# KiCad board helios-panel.kicad_pcb (continued)
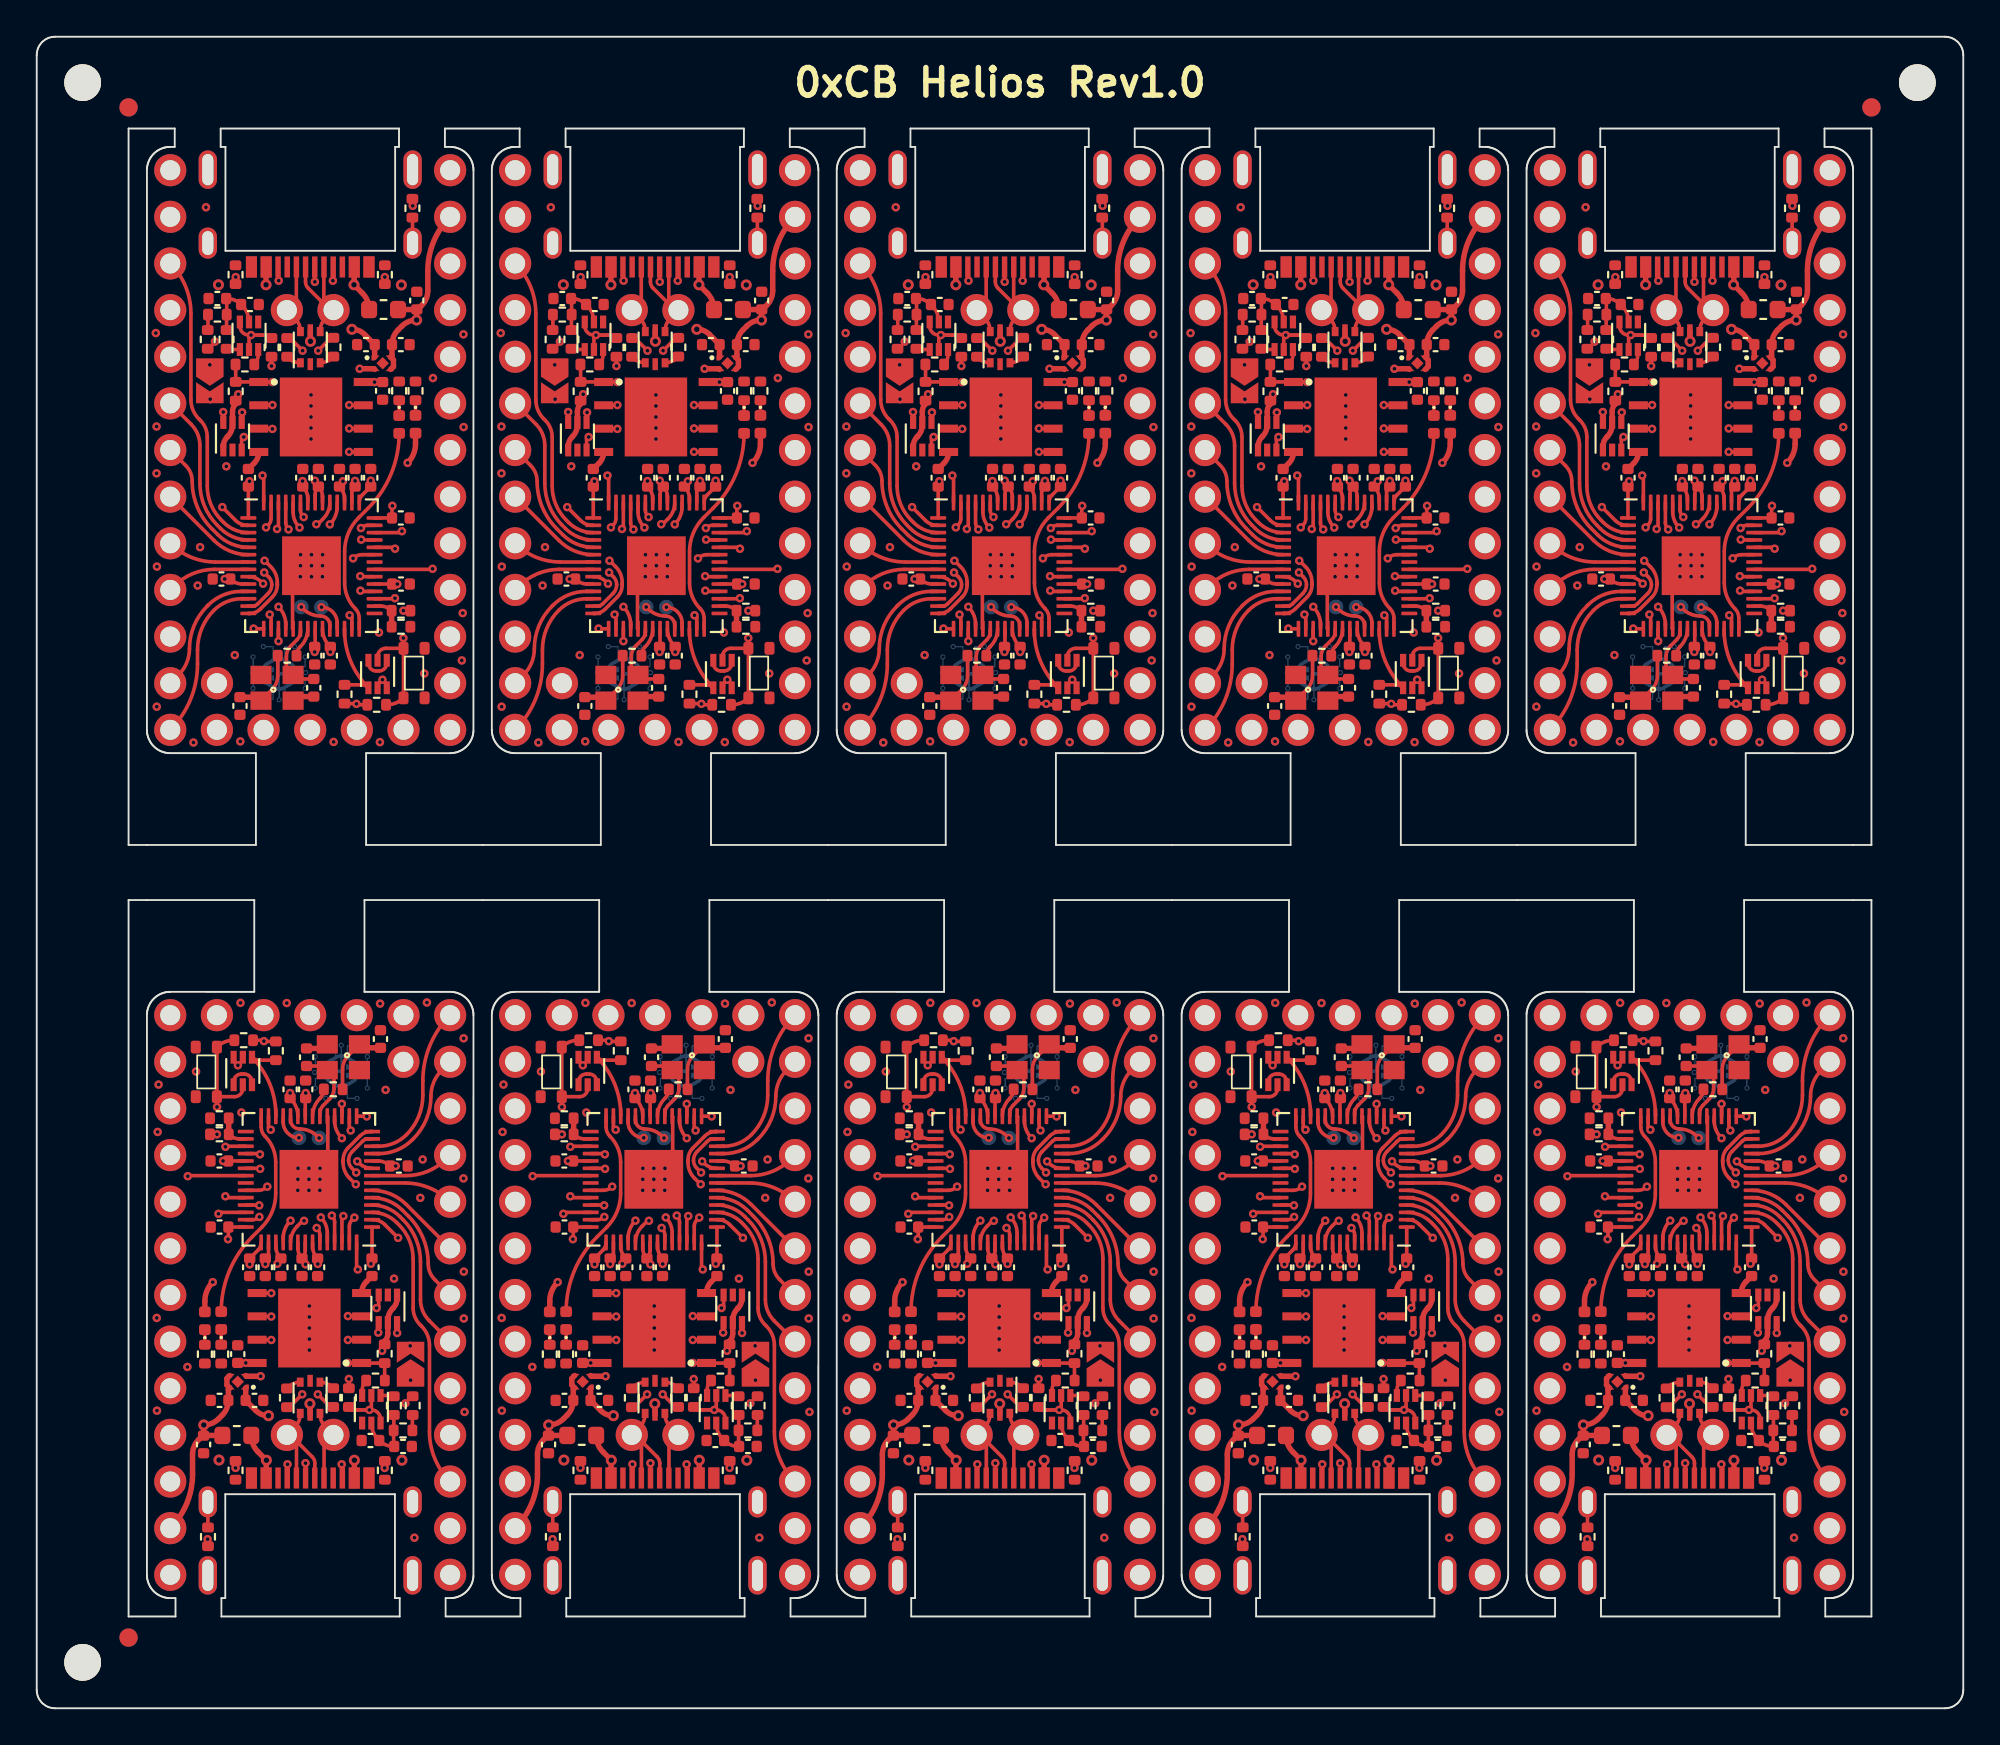
[diagram p0: board, top side]
## Routing (per net, layer and track width the routed paths; a pad name or vN(x,y) marks a point on that pad's centre or on a via; arc(x,y) is an arc through that point) (continued)
Board_3-/12: length 6.6
  Top w0.2: v1(68.15,58.81) 68.16,58.79 U4#7.15
  In1.Cu w0.2: v1(68.15,58.81) 68.15,58.12 arc(67.63,55.51) J2#7.14
Board_3-/13: length 7.2
  Top w0.2: U4#7.16 69.1,59.5 v1(69.03,59.57)
  In1.Cu w0.2: J2#7.15 68.69,58.76 arc(68.78,59.2) v1(69.03,59.57)
Board_3-/14: length 6
  Top w0.2: U4#7.17 69.5,58.13 v1(69.5,58.12)
  In1.Cu w0.2: v1(69.5,58.12) 69.5,57.45 arc(69.95,55.2) J2#7.16
Board_3-/15: length 9.5
  Top w0.2: U4#7.18 69.9,59.04 arc(69.8,59.55) v1(69.5,59.99)
  In1.Cu w0.2: J2#7.17 71.23,55.83 arc(70.4,57.08) 70.11,58.54 arc(69.95,59.33) v1(69.5,59.99)
Board_3-/16: length 7.9
  Top w0.2: U4#7.27 73.5,59.41 v1(73.38,59.53)
  In1.Cu w0.2: J2#7.18 75.71,53.89 arc(73.98,56.48) v1(73.38,59.53)
Board_3-/20_SDI: length 4.9
  Top w0.2: v1(75.84,60.46) 75.81,60.43 U4#7.31
  In1.Cu w0.2: J2#7.21 77.41,59.81 arc(76.69,60.29) v1(75.84,60.46)
Board_3-/21_CS: length 10.1
  Top w0.2: v1(73.97,60.87) 74,60.83 U4#7.32
  In1.Cu w0.2: J2#7.19 75.95,56.19 arc(74.65,58.02) 74.02,60.16 74.02,60.82 v1(73.97,60.87)
Board_3-/22_SCK: length 5.9
  Top w0.2: U4#7.34 73.98,61.63 v1(73.95,61.66)
  In1.Cu w0.2: v1(73.95,61.66) 74,61.7 76.93,61.7 arc(77.97,61.5) J2#7.22
Board_3-/23_SDO: length 9.8
  Top w0.2: U4#7.35 77.86,62.03 v1(77.89,62.06)
  In2.Cu w0.2: v1(77.89,62.06) 77.77,61.93 77.77,58.21 arc(78,57.01) 78.68,56 J2#7.20
Board_3-/A0: length 4.2
  Top w0.2: U4#7.38 75.78,63.23 v1(75.85,63.16)
  In1.Cu w0.2: v1(75.85,63.16) 78.14,63.16 arc(78.52,63.23) J2#7.23
Board_3-/A1: length 6.5
  Top w0.2: v1(74,63.65) 74.03,63.63 U4#7.39
  In1.Cu w0.2: J2#7.24 76.75,63.89 arc(76.46,63.7) 76.12,63.63 74.03,63.63 v1(74,63.65)
Board_3-/A2: length 6.8
  Top w0.2: U4#7.40 76.14,64.03 v1(76.22,64.11)
  In1.Cu w0.2: J2#7.25 77.49,67.17 arc(76.55,65.77) v1(76.22,64.11)
Board_3-/A3: length 9.4
  Top w0.2: v1(74,64.28) 74,64.28 arc(74.16,64.39) 74.35,64.43 U4#7.41
  In1.Cu w0.2: J2#7.26 77.98,70.2 arc(77.69,69.76) 77.58,69.24 arc(77.36,68.13) 76.74,67.19 74,64.45 v1(74,64.28)
Board_3-/BOOT: length 0.9
  Top w0.2: Q2#9.3 68.4,73.71 arc(68.34,73.43) R9#5.2
Board_3-/D+: length 12.7
  Top w0.2: v1(70.81,73.94) 70.12,74.63 R12#4.2 ; v1(71.56,64.49) 71.64,64.49 71.93,64.78 arc(72.2,65.19) U4#7.47
  In1.Cu w0.2: v1(70.81,73.94) 71.44,73.31 arc(71.92,72.59) 72.09,71.75 72.09,70.89 72.09,67 arc(72.05,66.81) 71.94,66.65 71.85,66.55 arc(71.74,66.39) 71.7,66.2 71.7,64.63 v1(71.56,64.49)
Board_3-/D-: length 12.7
  Top w0.2: v1(71.67,73.94) 72.36,74.64 R13#4.2 ; U4#7.46 72.7,65.45 arc(72.6,64.92) v1(72.3,64.48)
  In1.Cu w0.2: v1(71.67,73.94) 71.67,73.93 arc(71.7,73.74) 71.81,73.58 arc(72.35,72.77) 72.54,71.82 72.54,70.51 arc(72.57,70.44) 72.63,70.42 arc(72.69,70.39) 72.72,70.33 72.72,70.21 arc(72.69,70.14) 72.63,70.12 72.54,70.12 72.54,70.11 72.48,70.11 arc(72.43,70.09) 72.41,70.04 72.41,69.87 arc(72.43,69.82) 72.48,69.81 arc(72.52,69.79) 72.54,69.74 72.54,66.82 arc(72.5,66.63) 72.39,66.46 72.3,66.37 arc(72.19,66.21) 72.15,66.01 72.15,64.83 arc(72.19,64.64) 72.3,64.48 v1(72.3,64.48)
Board_3-/LED: length 11.7
  Top w0.2: U4#7.28 73.9,59.38 arc(73.85,59.65) 73.69,59.88 arc(73.26,60.53) 73.11,61.3 73.11,63 arc(73.3,64) 73.87,64.85 74.39,65.36 arc(75.64,67.23) D2.2
Board_3-/PORT+: length 7.1
  Top w0.2: 71.47,78.5 71.47,77.7 v1(71.48,77.69) ; U1#9.6 70.7,75 arc(70.62,75.38) 70.4,75.71 J2#7.34 70.47,76.67 70.47,78.5
  In1.Cu w0.2: J2#7.34 70.12,76.15 71.48,77.51 v1(71.48,77.69)
Board_3-/PORT-: length 7.1
  Top w0.2: J2#7.33 72.07,75.72 arc(71.85,75.39) 71.77,75.01 U1#9.4 ; J2#7.33 71.97,76.68 71.97,78.5 ; J2#7.33 72.31,76.15 71.12,77.34 arc(71.01,77.51) 70.97,77.7 70.97,78.5
Board_3-/QSPI_CLK: length 11.3
  Top w0.2: U4#7.52 70.3,65.15 arc(70.39,64.69) v1(70.65,64.31) ; v1(73.35,69.71) 73.36,69.7 U3#8.6
  In2.Cu w0.2: v1(70.65,64.31) 70.65,64.41 arc(70.19,65.1) 70.03,65.91 70.03,67.19 arc(70.2,67.61) 70.62,67.78 73.32,67.78 arc(73.68,67.93) 73.82,68.28 73.82,68.56 arc(73.7,69.18) v1(73.35,69.71)
Board_3-/QSPI_CS: length 9.8
  Top w0.2: v1(68.64,67.14) 68.7,67.08 68.7,65.69 ; R9#5.1 67.17,73.18 R11#8.2 68.42,72.24 U3#8.1 69.17,72.24 v1(69.17,72.23)
  In2.Cu w0.2: v1(68.64,67.14) arc(68.46,67.4) 68.4,67.7 68.4,70.36 arc(68.6,71.37) v1(69.17,72.23)
Board_3-/QSPI_SD0: length 11.3
  Top w0.2: v1(70.05,64.21) 70.05,64.21 arc(69.94,64.37) 69.9,64.56 U4#7.53 ; v1(73.35,68.43) 73.36,68.43 U3#8.5
  In2.Cu w0.2: v1(70.05,64.21) 70.05,64.28 arc(69.81,64.64) 69.72,65.06 69.72,67.24 arc(69.97,67.83) 70.56,68.08 71.39,68.08 arc(71.5,68.12) 71.55,68.23 71.55,68.48 arc(71.59,68.59) 71.69,68.63 arc(71.8,68.59) 71.84,68.48 71.84,68.23 arc(71.89,68.12) 72,68.08 arc(72.1,68.12) 72.14,68.23 72.14,68.48 arc(72.19,68.59) 72.3,68.63 arc(72.4,68.59) 72.44,68.48 72.44,68.23 arc(72.49,68.12) 72.59,68.08 arc(72.97,68.15) 73.29,68.37 v1(73.35,68.43)
Board_3-/QSPI_SD1: length 11.4
  Top w0.2: v1(68.83,64.32) 68.95,64.44 arc(69.06,64.61) 69.1,64.8 U4#7.55 ; U3#8.2 69.16,70.97 v1(69.17,70.98)
  In2.Cu w0.2: v1(68.83,64.32) 68.99,64.48 arc(69.09,64.63) 69.12,64.8 arc(69.08,64.91) 68.97,64.95 68.88,64.95 arc(68.77,64.99) 68.72,65.1 arc(68.77,65.21) 68.88,65.25 68.97,65.25 arc(69.08,65.29) 69.12,65.4 arc(69.08,65.51) 68.97,65.55 68.88,65.55 arc(68.77,65.59) 68.72,65.7 arc(68.77,65.81) 68.88,65.85 68.97,65.85 arc(69.08,65.89) 69.12,66 arc(69.08,66.11) 68.97,66.15 68.88,66.15 arc(68.77,66.19) 68.72,66.3 arc(68.77,66.41) 68.88,66.45 68.97,66.45 arc(69.08,66.49) 69.12,66.6 69.12,67.16 arc(69.09,67.35) 68.98,67.51 68.85,67.64 arc(68.74,67.81) 68.7,68 68.7,68.34 arc(68.74,68.44) 68.85,68.49 68.95,68.49 arc(69.06,68.53) 69.1,68.64 arc(69.06,68.74) 68.95,68.79 68.85,68.79 arc(68.74,68.83) 68.7,68.94 68.7,69.84 arc(68.82,70.45) v1(69.17,70.98)
Board_3-/QSPI_SD2: length 11.3
  Top w0.2: v1(69.42,64.23) 69.5,64.31 U4#7.54 ; v1(69.17,69.68) 69.16,69.7 U3#8.3
  In2.Cu w0.2: v1(69.42,64.23) 69.42,68.23 arc(69.47,68.34) 69.58,68.38 70.28,68.38 arc(70.38,68.42) 70.42,68.53 arc(70.38,68.64) 70.28,68.68 69.58,68.68 arc(69.47,68.72) 69.42,68.83 arc(69.47,68.94) 69.58,68.98 70.28,68.98 arc(70.38,69.02) 70.42,69.13 arc(70.38,69.24) 70.28,69.28 69.58,69.28 arc(69.47,69.32) 69.42,69.43 v1(69.17,69.68)
Board_3-/QSPI_SD3: length 11.4
  Top w0.2: v1(73.35,70.98) 73.36,70.97 U3#8.7 ; v1(70.88,64.88) 70.85,64.91 arc(70.74,65.07) 70.7,65.26 U4#7.51
  In2.Cu w0.2: v1(70.88,64.88) arc(70.47,65.49) 70.33,66.2 70.33,67.13 arc(70.42,67.36) 70.66,67.46 73.34,67.46 arc(73.92,67.7) 74.17,68.28 74.17,69.01 arc(73.95,70.08) v1(73.35,70.98)
Board_3-/RESET: length 24.7
  Top w0.2: v1(76.31,58.29) 76.31,58.29 SW1#7.2 ; SW1#7.2 75.35,57.73 arc(75.03,57.6) 74.9,57.28 Q1#10.2 74.91,57.09 ; SW1#7.2 SW1#7.2 arc(75.89,54.75) 75.4,54.66 R1.2
  In2.Cu w0.2: J2#7.28 arc(77.71,74.44) 77.31,72.43 77.31,60.71 arc(77.05,59.4) v1(76.31,58.29)
Board_3-/RGB_5V: length 17.5
  Top w0.2: U5#7.4 67.5,70.56 v1(67.53,70.58)
  In2.Cu w0.2: v1(67.53,70.58) arc(67.24,70.15) 67.14,69.65 67.14,66.16 arc(67.37,65) 68.03,64.02 69.3,62.75 arc(69.61,62.28) 69.72,61.73 arc(69.6,61.12) 69.25,60.6 67.34,58.7 arc(66.46,57.38) J2#7.32
Board_3-/RGB_DO: length 15.4
  Top w0.2: U4#7.37 74.05,62.83 arc(73.79,62.78) v1(73.56,62.63) ; U5#7.3 67.5,69.12 v1(67.61,69.24)
  In1.Cu w0.2: v1(67.61,69.24) 66.82,69.24 arc(66.17,68.97) 65.89,68.31 arc(66.04,67.58) 66.46,66.96 67.23,66.18 arc(67.67,65.53) 67.82,64.76 67.82,64.25 arc(68.01,63.79) 68.46,63.6 71.7,63.6 arc(72.52,63.44) 73.22,62.98 v1(73.56,62.63)
Board_3-/RST: length 4.9
  Top w0.2: U4#7.26 73.1,58.72 arc(73.44,57.02) Q1#10.4 74.39,55.59 arc(74.22,55.7) 74.03,55.74 R3#7.2
Board_3-/SWD_CLK: length 2.2
  Top w0.2: v1(70.75,59.98) 70.84,59.89 arc(71.28,59.59) 71.8,59.49 arc(72.15,59.34) 72.3,58.99 U4#7.24
Board_3-/SWD_IO: length 1.7
  Top w0.2: U4#7.25 72.7,59.12 arc(72.45,59.72) v1(71.84,59.97)
Board_3-/USB+: length 0.8
  Top w0.2: R12#4.1 70.03,73.56 arc(70.33,73.35) U1#9.1
Board_3-/USB-: length 0.8
  Top w0.2: R13#4.1 72.43,73.55 arc(72.13,73.35) U1#9.3
Board_3-GND: length 8.8
  Top w0.2: Q1#10.1 75.4,56.92 arc(75.27,56.62) 74.97,56.5 74.83,56.5 arc(74.53,56.62) 74.4,56.92 Q1#10.3 ; v1(71.3,62.23) 70.27,61.2 70.27,58.82 U4#7.19
  Top w0.3: C16.2 68.18,67.81 arc(68.36,68.09) U3#8.4 ; v1(73.92,72.96) 74.7,72.96 U2.2 ; C7#10.1 70.52,55.1 Y1#3.2
  vias: v1(62.83,74.9) v1(62.86,69.81) v1(62.86,67.26) v1(62.89,62.18) v1(62.88,54.55) v1(64.88,52.6) v1(65.11,61.15) v1(65.23,63.24) v1(65.56,81.75) v1(66.05,74.43) v1(67.12,57.36) v1(67.42,52.66) v1(70.7,62.83) v1(70.7,62.23) v1(70.69,61.63) v1(71.28,71.53) v1(71.28,70.93) v1(71.28,70.33) v1(71.28,69.73) v1(71.28,69.13) v1(71.3,62.83) v1(71.3,61.63) v1(71.91,62.83) v1(71.9,62.23) v1(71.89,61.63) v1(72.5,52.63) v1(74.97,58.59) v1(75.03,52.62) v1(76.81,81.83) v1(77.44,56.36) v1(77.92,72.45) v1(79.53,59.65) v1(79.48,57.07) v1(79.58,74.83) v1(79.58,69.78) v2(66.23,77.53) v2(76.19,77.52)
Board_3-Net-(C1-Pad1): length 3.7
  Top w0.2: 66.67,75.06 66.67,75.9 R5#9.1 66.69,76.75 C1#5.1 66.69,76.78 arc(67.11,76.7) C2#8.1 67.53,76.39 arc(67.8,75.99) Q2#9.5
Board_3-Net-(C7-Pad2): length 4.1
  Top w0.2: C7#10.2 70.52,56.06 Y1#3.3 70.08,56.5 arc(69.97,56.66) 69.94,56.85 69.94,57.28 arc(70,57.59) 70.17,57.86 70.52,58.21 arc(70.65,58.4) 70.7,58.64 U4#7.20
Board_3-Net-(C8-Pad2): length 4
  Top w0.2: Y1#3.1 69.15,55.48 arc(69.38,55.83) 69.47,56.24 R14#4.1
  Top w0.3: Y1#3.1 68.36,55.07 C8#9.2
Board_3-Net-(D1-Pad1): length 0.8
  Top w0.2: D1#3.1 R10#5.1
Board_3-Net-(D1-Pad2): length 24.2
  Top w0.2: JP1#3.2 65.78,71.56 v1(65.78,71.3)
  Top w0.3: D1#3.2 76.97,68.87 arc(76.85,68.31) v1(76.53,67.83)
  In1.Cu w0.2: v1(65.78,71.3) 65.77,71.3 arc(65.64,71.1) 65.59,70.87 65.59,68.2 arc(65.74,67.46) 66.16,66.83 66.91,66.08 arc(67.36,65.41) 67.52,64.62 67.52,64.23 arc(67.79,63.58) 68.44,63.3 71.72,63.3 arc(72.13,63.22) 72.47,62.99 73.18,62.28 arc(73.54,62.14) 73.89,62.28 73.91,62.3 arc(74.05,62.65) 73.91,63.01 73.67,63.25 arc(73.31,64.12) 73.67,64.99 76.51,67.83 v1(76.53,67.83)
Board_3-Net-(D2-Pad1): length 0.8
  Top w0.2: D2.1 R15.1
Board_3-Net-(FB1-Pad1): length 1.4
  Top w0.2: 76.8,79.8 76.8,81.19 FB1#10.1
Board_3-Net-(J1-PadA5): length 4.1
  Top w0.2: v1(72.47,77.75) 72.47,77.76 72.47,78.5 ; R7#2.2 v1(75.3,77.95)
  In1.Cu w0.2: v1(75.3,77.95) 75.19,78.05 73.2,78.05 arc(72.8,77.98) v1(72.47,77.75)
Board_3-Net-(J1-PadB5): length 3.6
  Top w0.2: R8#9.2 67.17,77.94 v1(67.17,77.95) ; 69.47,78.5 69.47,77.79 v1(69.51,77.75)
  In1.Cu w0.2: v1(67.17,77.95) 67.28,78.05 68.79,78.05 arc(69.18,77.98) v1(69.51,77.75)
Board_3-Net-(Q1-Pad5): length 28.5
  Top w0.2: 68.65,74.79 67.9,74.79 arc(67.55,74.94) 67.4,75.29 Q2#9.6 ; 68.65,74.79 68.97,74.79 R2#2.2 ; 68.65,74.79 v1(68.01,74.79) 67.9,74.68 Q2#9.2 ; Q1#10.5 74.9,55.76 v1(75.17,56.02) 75.4,55.79 Q1#10.6
  In2.Cu w0.2: v1(68.01,74.79) 67.89,74.67 arc(67.78,74.5) 67.74,74.31 67.74,72.23 arc(67.78,72.04) 67.89,71.88 67.92,71.84 arc(68.05,71.64) 68.1,71.41 68.1,68.84 arc(68.02,68.45) 67.8,68.12 arc(67.53,67.72) 67.44,67.25 67.44,66.27 arc(67.67,65.12) 68.32,64.15 69.57,62.9 arc(69.9,62.4) 70.02,61.82 70.02,59.42 arc(71.01,57.02) 73.42,56.02 75.16,56.02 v1(75.17,56.02)
Board_3-Net-(Q2-Pad1): length 0.7
  Top w0.2: Q2#9.1 66.72,74.01 R4.1
Board_3-Net-(R5-Pad2): length 0.8
  Top w0.2: 65.65,75.06 65.67,75.08 R5#9.2
Board_3-Net-(R14-Pad2): length 1.6
  Top w0.2: R14#4.2 arc(70.54,57.59) 70.68,57.81 70.7,57.83 arc(71,58.27) U4#7.21
Board_3-VBUS: length 28.7
  Top w0.2: v1(76.31,59.78) R16#3.1
  Top w0.3: v2(68.83,77.53) 68.83,78.5 ; 73.62,78.5 73.62,77.54 v2(73.61,77.53) 74.06,77.08 arc(74.34,76.67) F1#5.1
  In2.Cu w0.2: v1(76.31,59.78) arc(76.83,60.56) 77.01,61.48 77.01,69.34 arc(76.13,73.77) v2(73.61,77.53)
  In2.Cu w0.3: v2(68.83,77.53) arc(69.09,78.18) 69.74,78.45 72.7,78.45 arc(73.35,78.18) v2(73.61,77.53)
Board_4-+1V1: length 15.7
  Top w0.2: v1(89.59,66.84) 89.61,66.83 C17#4.1 arc(89.81,66.24) 89.88,65.88 U4#6.50 ; v1(91.8,66.83) 91.61,66.64 C10#3.2 arc(91.81,66.24) 91.88,65.88 U4#6.45 ; v1(91.11,57.53) C19#5.1 91.07,57.84 arc(90.78,58.28) U4#6.23
  In2.Cu w0.2: v1(89.59,66.84) 90.64,65.8 ; 90.64,65.8 91.16,65.28 arc(91.45,64.84) 91.55,64.32 91.55,58.61 arc(91.44,58.03) v1(91.11,57.53) ; 90.64,65.8 91.67,66.83 v1(91.8,66.83)
Board_4-+3V3: length 20.5
  Top w0.2: 93.49,61.23 C12#3.1 v1(94.75,61.23) ; R3#10.1 92.52,54.72 v1(92.53,54.71) 92.58,54.66 R1#8.1 ; v1(90.27,66.86) 90.45,66.67 C14#3.1 ; U4#6.1 86.64,66.54 C16#2.1 86.64,66.77 v1(86.7,66.83) ; v1(85.36,61.51) C15#5.1 arc(85.96,61.3) 86.32,61.23 U4#6.10 ; v1(94.48,65.49) 94.47,65.47 C13#2.1 93.49,64.83 ; R2#10.1 v1(87.91,73.11) ; C6#10.1 v1(93.52,72.23) 93.51,72.24 U3#4.8 ; v1(93.31,66.86) C18#2.1 92.85,66.09 arc(92.73,65.9) U4#6.43 ; v1(92.45,66.85) C9#4.2 92.34,66.42 arc(92.3,66.36) 92.28,66.28 U4#6.44 ; v1(86.09,71.57) 86.09,71.36 R11#5.1 ; U4#6.48 90.68,66 arc(90.62,66.29) C14#3.1 ; U4#6.22 90.28,57.84 C11#3.1 ; U4#6.49 90.28,66.12 arc(90.33,66.35) C14#3.1
  Top w0.3: R11#5.1 85.95,71.04 85.9,70.99 arc(85.81,70.81) 85.78,70.62 U5#10.5 85.78,69.91 arc(85.71,69.56) 85.51,69.26 85.5,69.25 arc(85.34,69.01) 85.28,68.72 U5#10.1 ; U2#7.1 93.52,74.27 ; C5.1 92.97,74.83 arc(92.65,75.04) 92.28,75.11
  vias: v1(84.55,73.17) v1(85.44,67.64) v1(90.25,57.53) v2(92.28,75.11)
Board_4-+5V: length 25.1
  Top w0.3: 95.81,76.18 C3#4.1 95.86,76.19 96.08,76.41 arc(96.33,76.78) 96.42,77.21 96.42,78.3 arc(96.73,79.88) J2#10.30 ; 95.81,76.18 v2(95.81,75.61) arc(95.37,75.52) 95,75.28 94.8,75.07 arc(94.55,74.7) C4.1 94.47,73.67 U2#7.4 94.54,73.44 94.54,73.07 U2#7.3 ; 95.81,76.18 F1#8.2 ; v2(90.03,74.45) 90.02,74.46 U1#10.5 ; v1(85.28,70.6) 85.28,70.59 U5#10.6
  In1.Cu w0.3: v1(85.28,70.6) 85.28,70.88 arc(85.55,72.27) 86.34,73.44 arc(87.47,74.2) 88.8,74.46 90.01,74.46 v2(90.03,74.45) 93,74.45 arc(94.52,74.75) v2(95.81,75.61)
Board_4-/0_TX0: length 18.4
  Top w0.2: U4#6.2 86.59,64.43 arc(86.24,64.5) 85.95,64.7 v1(85.22,65.42)
  In1.Cu w0.2: J2#10.2 82.39,80.66 arc(82.43,80.47) 82.54,80.31 82.57,80.27 arc(83.46,78.94) 83.78,77.36 83.78,68.13 arc(83.96,67.22) 84.47,66.45 85.03,65.89 arc(85.17,65.67) v1(85.22,65.42)
Board_4-/1_RX0: length 16.4
  Top w0.2: J2#10.3 arc(83.22,77.44) 83.52,75.97 83.52,71.27 arc(83.63,70.71) 83.95,70.23 84.03,70.14 arc(84.31,69.73) 84.41,69.24 84.41,66.57 arc(84.61,65.56) 85.18,64.71 85.3,64.59 arc(85.91,64.17) U4#6.3
Board_4-/2_SDA1: length 9.4
  Top w0.2: J2#10.6 83.53,69.93 arc(83.88,69.4) 84,68.78 84,66.71 arc(84.25,65.48) 84.95,64.44 85.13,64.26 arc(85.82,63.79) U4#6.4
Board_4-/3_SCL1: length 7.3
  Top w0.2: J2#10.7 83.23,67.69 arc(83.49,67.3) 83.58,66.83 arc(83.86,65.43) 84.66,64.24 84.98,63.92 arc(85.74,63.41) U4#6.5
Board_4-/4: length 5.4
  Top w0.2: J2#10.8 84.78,63.6 arc(85.63,63.03) U4#6.6
Board_4-/5: length 4.5
  Top w0.2: U4#6.7 84.85,62.43 arc(83.52,62.7) J2#10.9
Board_4-/6: length 4.6
  Top w0.2: U4#6.8 84.8,62.03 arc(83.61,61.79) 82.6,61.12 J2#10.10
Board_4-/7: length 6.9
  Top w0.2: U4#6.9 86.68,61.63 arc(87.04,61.56) 87.34,61.35 v1(87.44,61.25)
  In2.Cu w0.2: v1(87.44,61.25) 86.1,59.91 arc(84.4,58.77) J2#10.11
Board_4-/8: length 7.3
  Top w0.2: U4#6.11 86.26,60.83 arc(85.29,60.64) 84.46,60.09 84.39,60.02 arc(83.68,58.96) 83.44,57.7 arc(83.28,56.94) 82.85,56.29 J2#10.12
Board_4-/9: length 9.2
  Top w0.2: U4#6.12 86.28,60.43 arc(85.46,60.27) 84.77,59.8 arc(84.11,58.81) 83.88,57.65 83.88,56.88 arc(83.49,54.93) J2#10.13
Board_4-/10: length 26.5
  Top w0.2: v1(87.5,61.86) 87.74,61.62 arc(87.87,61.43) 87.92,61.2 arc(87.87,60.94) 87.72,60.72 87.15,60.15 arc(87.02,60.06) 86.87,60.03 U4#6.13
  In2.Cu w0.2: v1(87.5,61.86) 87.47,61.86 84.19,65.14 arc(83.78,65.76) 83.64,66.48 83.64,80.76 arc(83.31,82.39) J2#10.1
Board_4-/11: length 38
  Top w0.2: U4#6.14 86.73,59.63 arc(87.03,59.69) 87.29,59.86 87.94,60.51 arc(88.15,60.82) 88.22,61.18 88.22,61.31 arc(88.13,61.78) 87.86,62.17 87.54,62.5 v1(87.53,62.5)
  In1.Cu w0.2: v1(87.53,62.5) 87.53,62.69 arc(87.43,62.91) 87.21,63 arc(86.35,63.36) 86,64.22 86,64.45 arc(85.83,65.28) 85.36,65.98 84.7,66.64 arc(84.24,67.34) 84.08,68.16 84.08,76.65 arc(84.63,77.98) 85.96,78.53 95.24,78.53 arc(96.07,78.87) 96.42,79.71 96.42,80.84 arc(96.73,82.42) J2#10.31
Board_4-/12: length 6.6
  Top w0.2: v1(86.93,58.81) 86.94,58.79 U4#6.15
  In1.Cu w0.2: v1(86.93,58.81) 86.93,58.12 arc(86.41,55.51) J2#10.14
Board_4-/13: length 7.2
  Top w0.2: U4#6.16 87.88,59.5 v1(87.81,59.57)
  In1.Cu w0.2: J2#10.15 87.47,58.76 arc(87.56,59.2) v1(87.81,59.57)
Board_4-/14: length 6
  Top w0.2: U4#6.17 88.28,58.13 v1(88.28,58.12)
  In1.Cu w0.2: v1(88.28,58.12) 88.28,57.45 arc(88.73,55.2) J2#10.16
Board_4-/15: length 9.5
  Top w0.2: U4#6.18 88.68,59.04 arc(88.58,59.55) v1(88.28,59.99)
  In1.Cu w0.2: J2#10.17 90.01,55.83 arc(89.18,57.08) 88.89,58.54 arc(88.73,59.33) v1(88.28,59.99)
Board_4-/16: length 7.9
  Top w0.2: U4#6.27 92.28,59.41 v1(92.16,59.53)
  In1.Cu w0.2: J2#10.18 94.49,53.89 arc(92.76,56.48) v1(92.16,59.53)
Board_4-/20_SDI: length 4.9
  Top w0.2: v1(94.62,60.46) 94.59,60.43 U4#6.31
  In1.Cu w0.2: J2#10.21 96.19,59.81 arc(95.47,60.29) v1(94.62,60.46)
Board_4-/21_CS: length 10.1
  Top w0.2: v1(92.75,60.87) 92.78,60.83 U4#6.32
  In1.Cu w0.2: J2#10.19 94.73,56.19 arc(93.43,58.02) 92.8,60.16 92.8,60.82 v1(92.75,60.87)
Board_4-/22_SCK: length 5.9
  Top w0.2: U4#6.34 92.77,61.63 v1(92.73,61.66)
  In1.Cu w0.2: v1(92.73,61.66) 92.78,61.7 95.71,61.7 arc(96.75,61.5) J2#10.22
Board_4-/23_SDO: length 9.8
  Top w0.2: U4#6.35 96.64,62.03 v1(96.67,62.06)
  In2.Cu w0.2: v1(96.67,62.06) 96.55,61.93 96.55,58.21 arc(96.78,57.01) 97.46,56 J2#10.20
Board_4-/A0: length 4.2
  Top w0.2: U4#6.38 94.56,63.23 v1(94.63,63.16)
  In1.Cu w0.2: v1(94.63,63.16) 96.92,63.16 arc(97.3,63.23) J2#10.23
Board_4-/A1: length 6.5
  Top w0.2: v1(92.78,63.65) 92.81,63.63 U4#6.39
  In1.Cu w0.2: J2#10.24 95.53,63.89 arc(95.24,63.7) 94.9,63.63 92.81,63.63 v1(92.78,63.65)
Board_4-/A2: length 6.8
  Top w0.2: U4#6.40 94.92,64.03 v1(95,64.11)
  In1.Cu w0.2: J2#10.25 96.27,67.17 arc(95.33,65.77) v1(95,64.11)
Board_4-/A3: length 9.4
  Top w0.2: v1(92.78,64.28) 92.78,64.28 arc(92.94,64.39) 93.13,64.43 U4#6.41
  In1.Cu w0.2: J2#10.26 96.76,70.2 arc(96.47,69.76) 96.36,69.24 arc(96.14,68.13) 95.52,67.19 92.78,64.45 v1(92.78,64.28)
Board_4-/BOOT: length 0.9
  Top w0.2: Q2.3 87.18,73.71 arc(87.12,73.43) R9#6.2
Board_4-/D+: length 12.7
  Top w0.2: v1(89.59,73.94) 88.91,74.63 R12.2 ; v1(90.34,64.49) 90.42,64.49 90.71,64.78 arc(90.98,65.19) U4#6.47
  In1.Cu w0.2: v1(89.59,73.94) 90.22,73.31 arc(90.7,72.59) 90.87,71.75 90.87,70.89 90.87,67 arc(90.83,66.81) 90.72,66.65 90.63,66.55 arc(90.52,66.39) 90.48,66.2 90.48,64.63 v1(90.34,64.49)
Board_4-/D-: length 12.7
  Top w0.2: v1(90.44,73.94) 91.14,74.64 R13#8.2 ; U4#6.46 91.48,65.45 arc(91.38,64.92) v1(91.08,64.48)
  In1.Cu w0.2: v1(90.44,73.94) 90.44,73.93 arc(90.48,73.74) 90.59,73.58 arc(91.13,72.77) 91.32,71.82 91.32,70.51 arc(91.35,70.44) 91.41,70.42 arc(91.47,70.39) 91.5,70.33 91.5,70.21 arc(91.47,70.14) 91.41,70.12 91.32,70.12 91.32,70.11 91.26,70.11 arc(91.21,70.09) 91.19,70.04 91.19,69.87 arc(91.21,69.82) 91.26,69.81 arc(91.3,69.79) 91.32,69.74 91.32,66.82 arc(91.28,66.63) 91.17,66.46 91.08,66.37 arc(90.97,66.21) 90.93,66.01 90.93,64.83 arc(90.97,64.64) 91.08,64.48 v1(91.08,64.48)
Board_4-/LED: length 11.7
  Top w0.2: U4#6.28 92.68,59.38 arc(92.63,59.65) 92.47,59.88 arc(92.04,60.53) 91.89,61.3 91.89,63 arc(92.08,64) 92.65,64.85 93.17,65.36 arc(94.42,67.23) D2#5.2
Board_4-/PORT+: length 7.1
  Top w0.2: 90.25,78.5 90.25,77.7 v1(90.27,77.69) ; U1#10.6 89.48,75 arc(89.4,75.38) 89.18,75.71 J2#10.34 89.25,76.67 89.25,78.5
  In1.Cu w0.2: J2#10.34 88.91,76.15 90.27,77.51 v1(90.27,77.69)
Board_4-/PORT-: length 7.1
  Top w0.2: J2#10.33 90.85,75.72 arc(90.63,75.39) 90.55,75.01 U1#10.4 ; J2#10.33 90.75,76.68 90.75,78.5 ; J2#10.33 91.09,76.15 89.9,77.34 arc(89.79,77.51) 89.75,77.7 89.75,78.5
Board_4-/QSPI_CLK: length 11.3
  Top w0.2: U4#6.52 89.08,65.15 arc(89.17,64.69) v1(89.43,64.31) ; v1(92.13,69.71) 92.14,69.7 U3#4.6
  In2.Cu w0.2: v1(89.43,64.31) 89.43,64.41 arc(88.97,65.1) 88.81,65.91 88.81,67.19 arc(88.98,67.61) 89.4,67.78 92.1,67.78 arc(92.46,67.93) 92.6,68.28 92.6,68.56 arc(92.48,69.18) v1(92.13,69.71)
Board_4-/QSPI_CS: length 9.8
  Top w0.2: v1(87.42,67.14) 87.48,67.08 87.48,65.69 ; R9#6.1 85.95,73.18 R11#5.2 87.2,72.24 U3#4.1 87.95,72.24 v1(87.95,72.23)
  In2.Cu w0.2: v1(87.42,67.14) arc(87.24,67.4) 87.18,67.7 87.18,70.36 arc(87.38,71.37) v1(87.95,72.23)
Board_4-/QSPI_SD0: length 11.3
  Top w0.2: v1(88.83,64.21) 88.83,64.21 arc(88.72,64.37) 88.68,64.56 U4#6.53 ; v1(92.13,68.43) 92.14,68.43 U3#4.5
  In2.Cu w0.2: v1(88.83,64.21) 88.83,64.28 arc(88.59,64.64) 88.5,65.06 88.5,67.24 arc(88.75,67.83) 89.34,68.08 90.17,68.08 arc(90.28,68.12) 90.33,68.23 90.33,68.48 arc(90.37,68.59) 90.47,68.63 arc(90.58,68.59) 90.62,68.48 90.62,68.23 arc(90.67,68.12) 90.78,68.08 arc(90.88,68.12) 90.92,68.23 90.92,68.48 arc(90.97,68.59) 91.08,68.63 arc(91.18,68.59) 91.22,68.48 91.22,68.23 arc(91.27,68.12) 91.38,68.08 arc(91.75,68.15) 92.07,68.37 v1(92.13,68.43)
Board_4-/QSPI_SD1: length 11.4
  Top w0.2: v1(87.61,64.32) 87.73,64.44 arc(87.84,64.61) 87.88,64.8 U4#6.55 ; U3#4.2 87.94,70.97 v1(87.95,70.98)
  In2.Cu w0.2: v1(87.61,64.32) 87.77,64.48 arc(87.87,64.63) 87.91,64.8 arc(87.86,64.91) 87.75,64.95 87.66,64.95 arc(87.55,64.99) 87.5,65.1 arc(87.55,65.21) 87.66,65.25 87.75,65.25 arc(87.86,65.29) 87.91,65.4 arc(87.86,65.51) 87.75,65.55 87.66,65.55 arc(87.55,65.59) 87.5,65.7 arc(87.55,65.81) 87.66,65.85 87.75,65.85 arc(87.86,65.89) 87.91,66 arc(87.86,66.11) 87.75,66.15 87.66,66.15 arc(87.55,66.19) 87.5,66.3 arc(87.55,66.41) 87.66,66.45 87.75,66.45 arc(87.86,66.49) 87.91,66.6 87.91,67.16 arc(87.87,67.35) 87.76,67.51 87.63,67.64 arc(87.52,67.81) 87.48,68 87.48,68.34 arc(87.52,68.44) 87.63,68.49 87.73,68.49 arc(87.84,68.53) 87.88,68.64 arc(87.84,68.74) 87.73,68.79 87.63,68.79 arc(87.52,68.83) 87.48,68.94 87.48,69.84 arc(87.6,70.45) v1(87.95,70.98)
Board_4-/QSPI_SD2: length 11.3
  Top w0.2: v1(88.2,64.23) 88.28,64.31 U4#6.54 ; v1(87.95,69.68) 87.94,69.7 U3#4.3
  In2.Cu w0.2: v1(88.2,64.23) 88.2,68.23 arc(88.25,68.34) 88.36,68.38 89.06,68.38 arc(89.16,68.42) 89.2,68.53 arc(89.16,68.64) 89.06,68.68 88.36,68.68 arc(88.25,68.72) 88.2,68.83 arc(88.25,68.94) 88.36,68.98 89.06,68.98 arc(89.16,69.02) 89.2,69.13 arc(89.16,69.24) 89.06,69.28 88.36,69.28 arc(88.25,69.32) 88.2,69.43 v1(87.95,69.68)
Board_4-/QSPI_SD3: length 11.4
  Top w0.2: v1(92.13,70.98) 92.14,70.97 U3#4.7 ; v1(89.66,64.88) 89.63,64.91 arc(89.52,65.07) 89.48,65.26 U4#6.51
  In2.Cu w0.2: v1(89.66,64.88) arc(89.25,65.49) 89.11,66.2 89.11,67.13 arc(89.2,67.36) 89.44,67.46 92.12,67.46 arc(92.7,67.7) 92.94,68.28 92.94,69.01 arc(92.73,70.08) v1(92.13,70.98)
Board_4-/RESET: length 24.7
  Top w0.2: v1(95.08,58.29) 95.09,58.29 SW1#5.2 ; SW1#5.2 94.13,57.73 arc(93.81,57.6) 93.68,57.28 Q1#5.2 93.69,57.09 ; SW1#5.2 SW1#5.2 arc(94.67,54.75) 94.18,54.66 R1#8.2
  In2.Cu w0.2: J2#10.28 arc(96.49,74.44) 96.09,72.43 96.09,60.71 arc(95.83,59.4) v1(95.08,58.29)
Board_4-/RGB_5V: length 17.5
  Top w0.2: U5#10.4 86.28,70.56 v1(86.31,70.58)
  In2.Cu w0.2: v1(86.31,70.58) arc(86.02,70.15) 85.92,69.65 85.92,66.16 arc(86.15,65) 86.81,64.02 88.08,62.75 arc(88.39,62.28) 88.5,61.73 arc(88.38,61.12) 88.03,60.6 86.12,58.7 arc(85.24,57.38) J2#10.32
Board_4-/RGB_DO: length 15.4
  Top w0.2: U4#6.37 92.83,62.83 arc(92.57,62.78) v1(92.34,62.63) ; U5#10.3 86.28,69.12 v1(86.39,69.24)
  In1.Cu w0.2: v1(86.39,69.24) 85.6,69.24 arc(84.95,68.97) 84.67,68.31 arc(84.82,67.58) 85.24,66.96 86.01,66.18 arc(86.45,65.53) 86.6,64.76 86.6,64.25 arc(86.79,63.79) 87.24,63.6 90.48,63.6 arc(91.3,63.44) 92,62.98 v1(92.34,62.63)
Board_4-/RST: length 4.9
  Top w0.2: U4#6.26 91.88,58.72 arc(92.22,57.02) Q1#5.4 93.17,55.59 arc(93,55.7) 92.81,55.74 R3#10.2
Board_4-/SWD_CLK: length 2.2
  Top w0.2: v1(89.53,59.98) 89.62,59.89 arc(90.06,59.59) 90.58,59.49 arc(90.93,59.34) 91.08,58.99 U4#6.24
Board_4-/SWD_IO: length 1.7
  Top w0.2: U4#6.25 91.48,59.12 arc(91.23,59.72) v1(90.62,59.97)
Board_4-/USB+: length 0.8
  Top w0.2: R12.1 88.81,73.56 arc(89.11,73.35) U1#10.1
Board_4-/USB-: length 0.8
  Top w0.2: R13#8.1 91.21,73.55 arc(90.91,73.35) U1#10.3
Board_4-GND: length 8.8
  Top w0.2: Q1#5.1 94.18,56.92 arc(94.05,56.62) 93.75,56.5 93.61,56.5 arc(93.31,56.62) 93.18,56.92 Q1#5.3 ; v1(90.08,62.23) 89.05,61.2 89.05,58.82 U4#6.19
  Top w0.3: C16#2.2 86.96,67.81 arc(87.14,68.09) U3#4.4 ; v1(92.7,72.96) 93.48,72.96 U2#7.2 ; C7#4.1 89.3,55.1 Y1#9.2
  vias: v1(81.61,74.9) v1(81.64,69.81) v1(81.64,67.26) v1(81.67,62.18) v1(81.66,54.55) v1(83.66,52.6) v1(83.89,61.15) v1(84.02,63.24) v1(84.33,81.75) v1(84.83,74.43) v1(85.91,57.36) v1(86.2,52.66) v1(89.48,62.83) v1(89.48,62.23) v1(89.47,61.63) v1(90.06,71.53) v1(90.06,70.93) v1(90.06,70.33) v1(90.06,69.73) v1(90.06,69.13) v1(90.08,62.83) v1(90.08,61.63) v1(90.69,62.83) v1(90.68,62.23) v1(90.67,61.63) v1(91.28,52.63) v1(93.75,58.59) v1(93.81,52.62) v1(95.59,81.83) v1(96.22,56.36) v1(96.69,72.45) v1(98.31,59.65) v1(98.27,57.07) v1(98.36,74.83) v1(98.36,69.78) v2(85.02,77.53) v2(94.97,77.52)
